# KiCad board Li-ion charger_panel.kicad_pcb
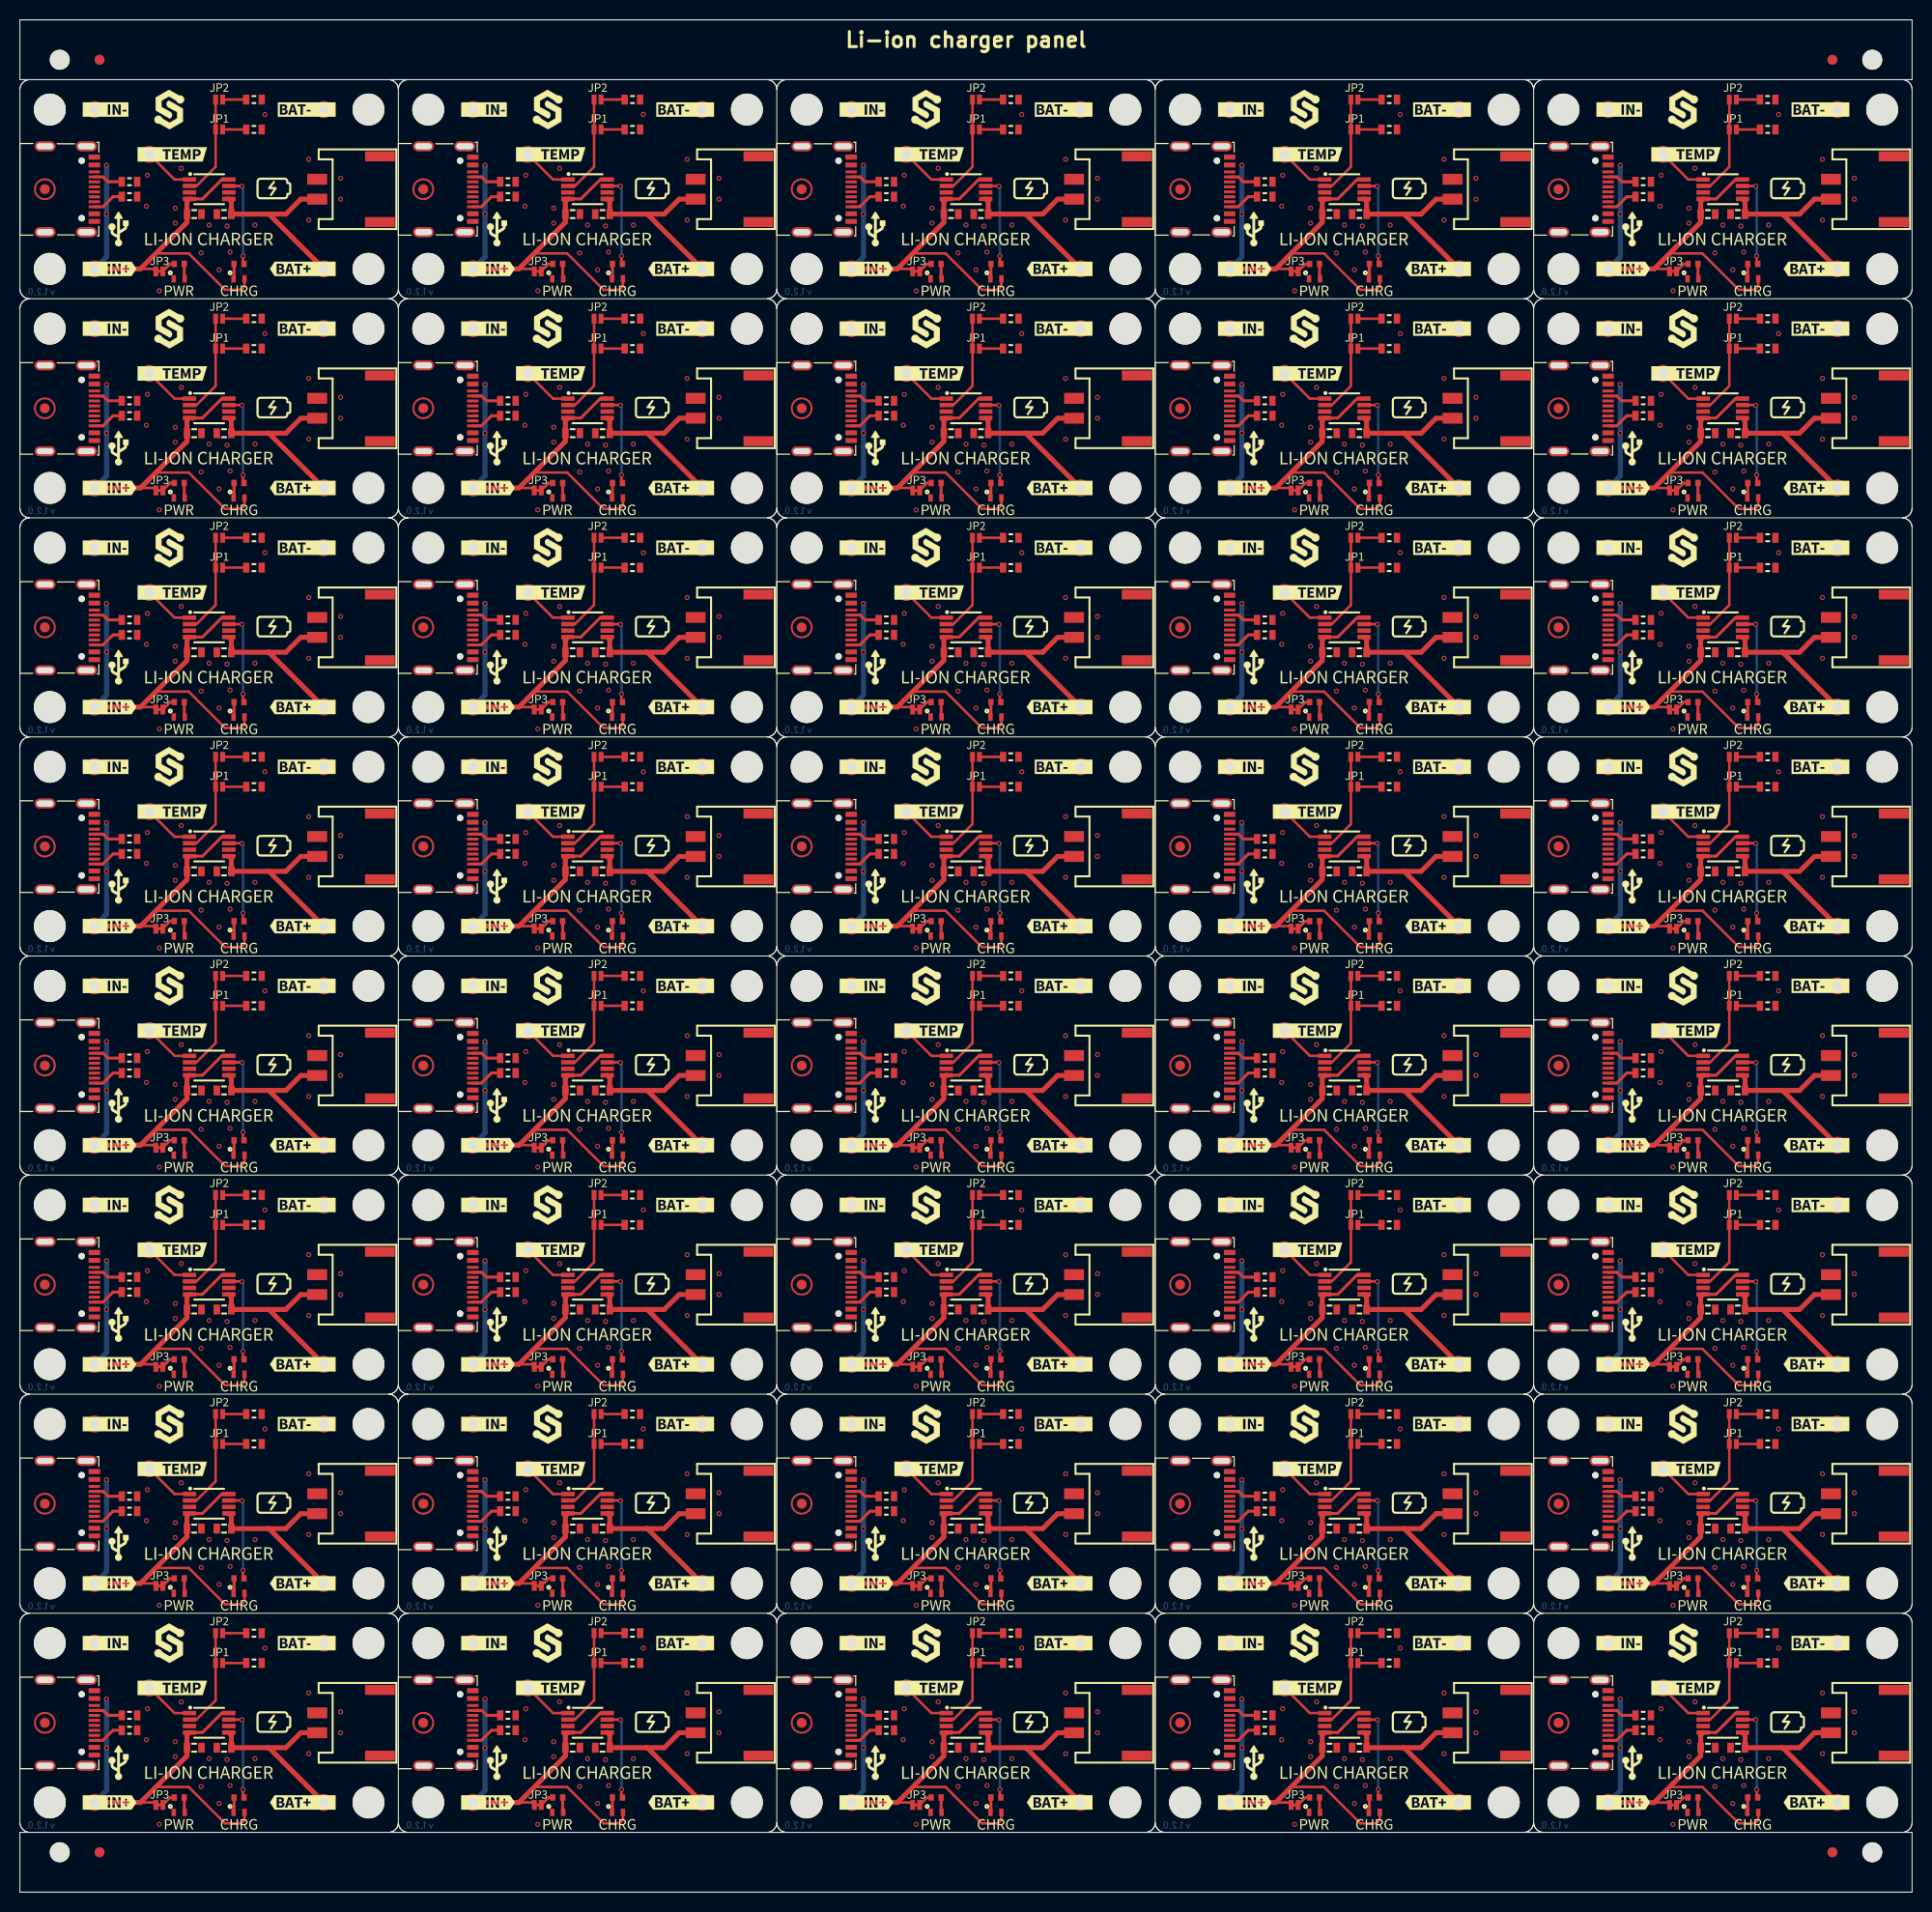
[diagram p0: board, top side]
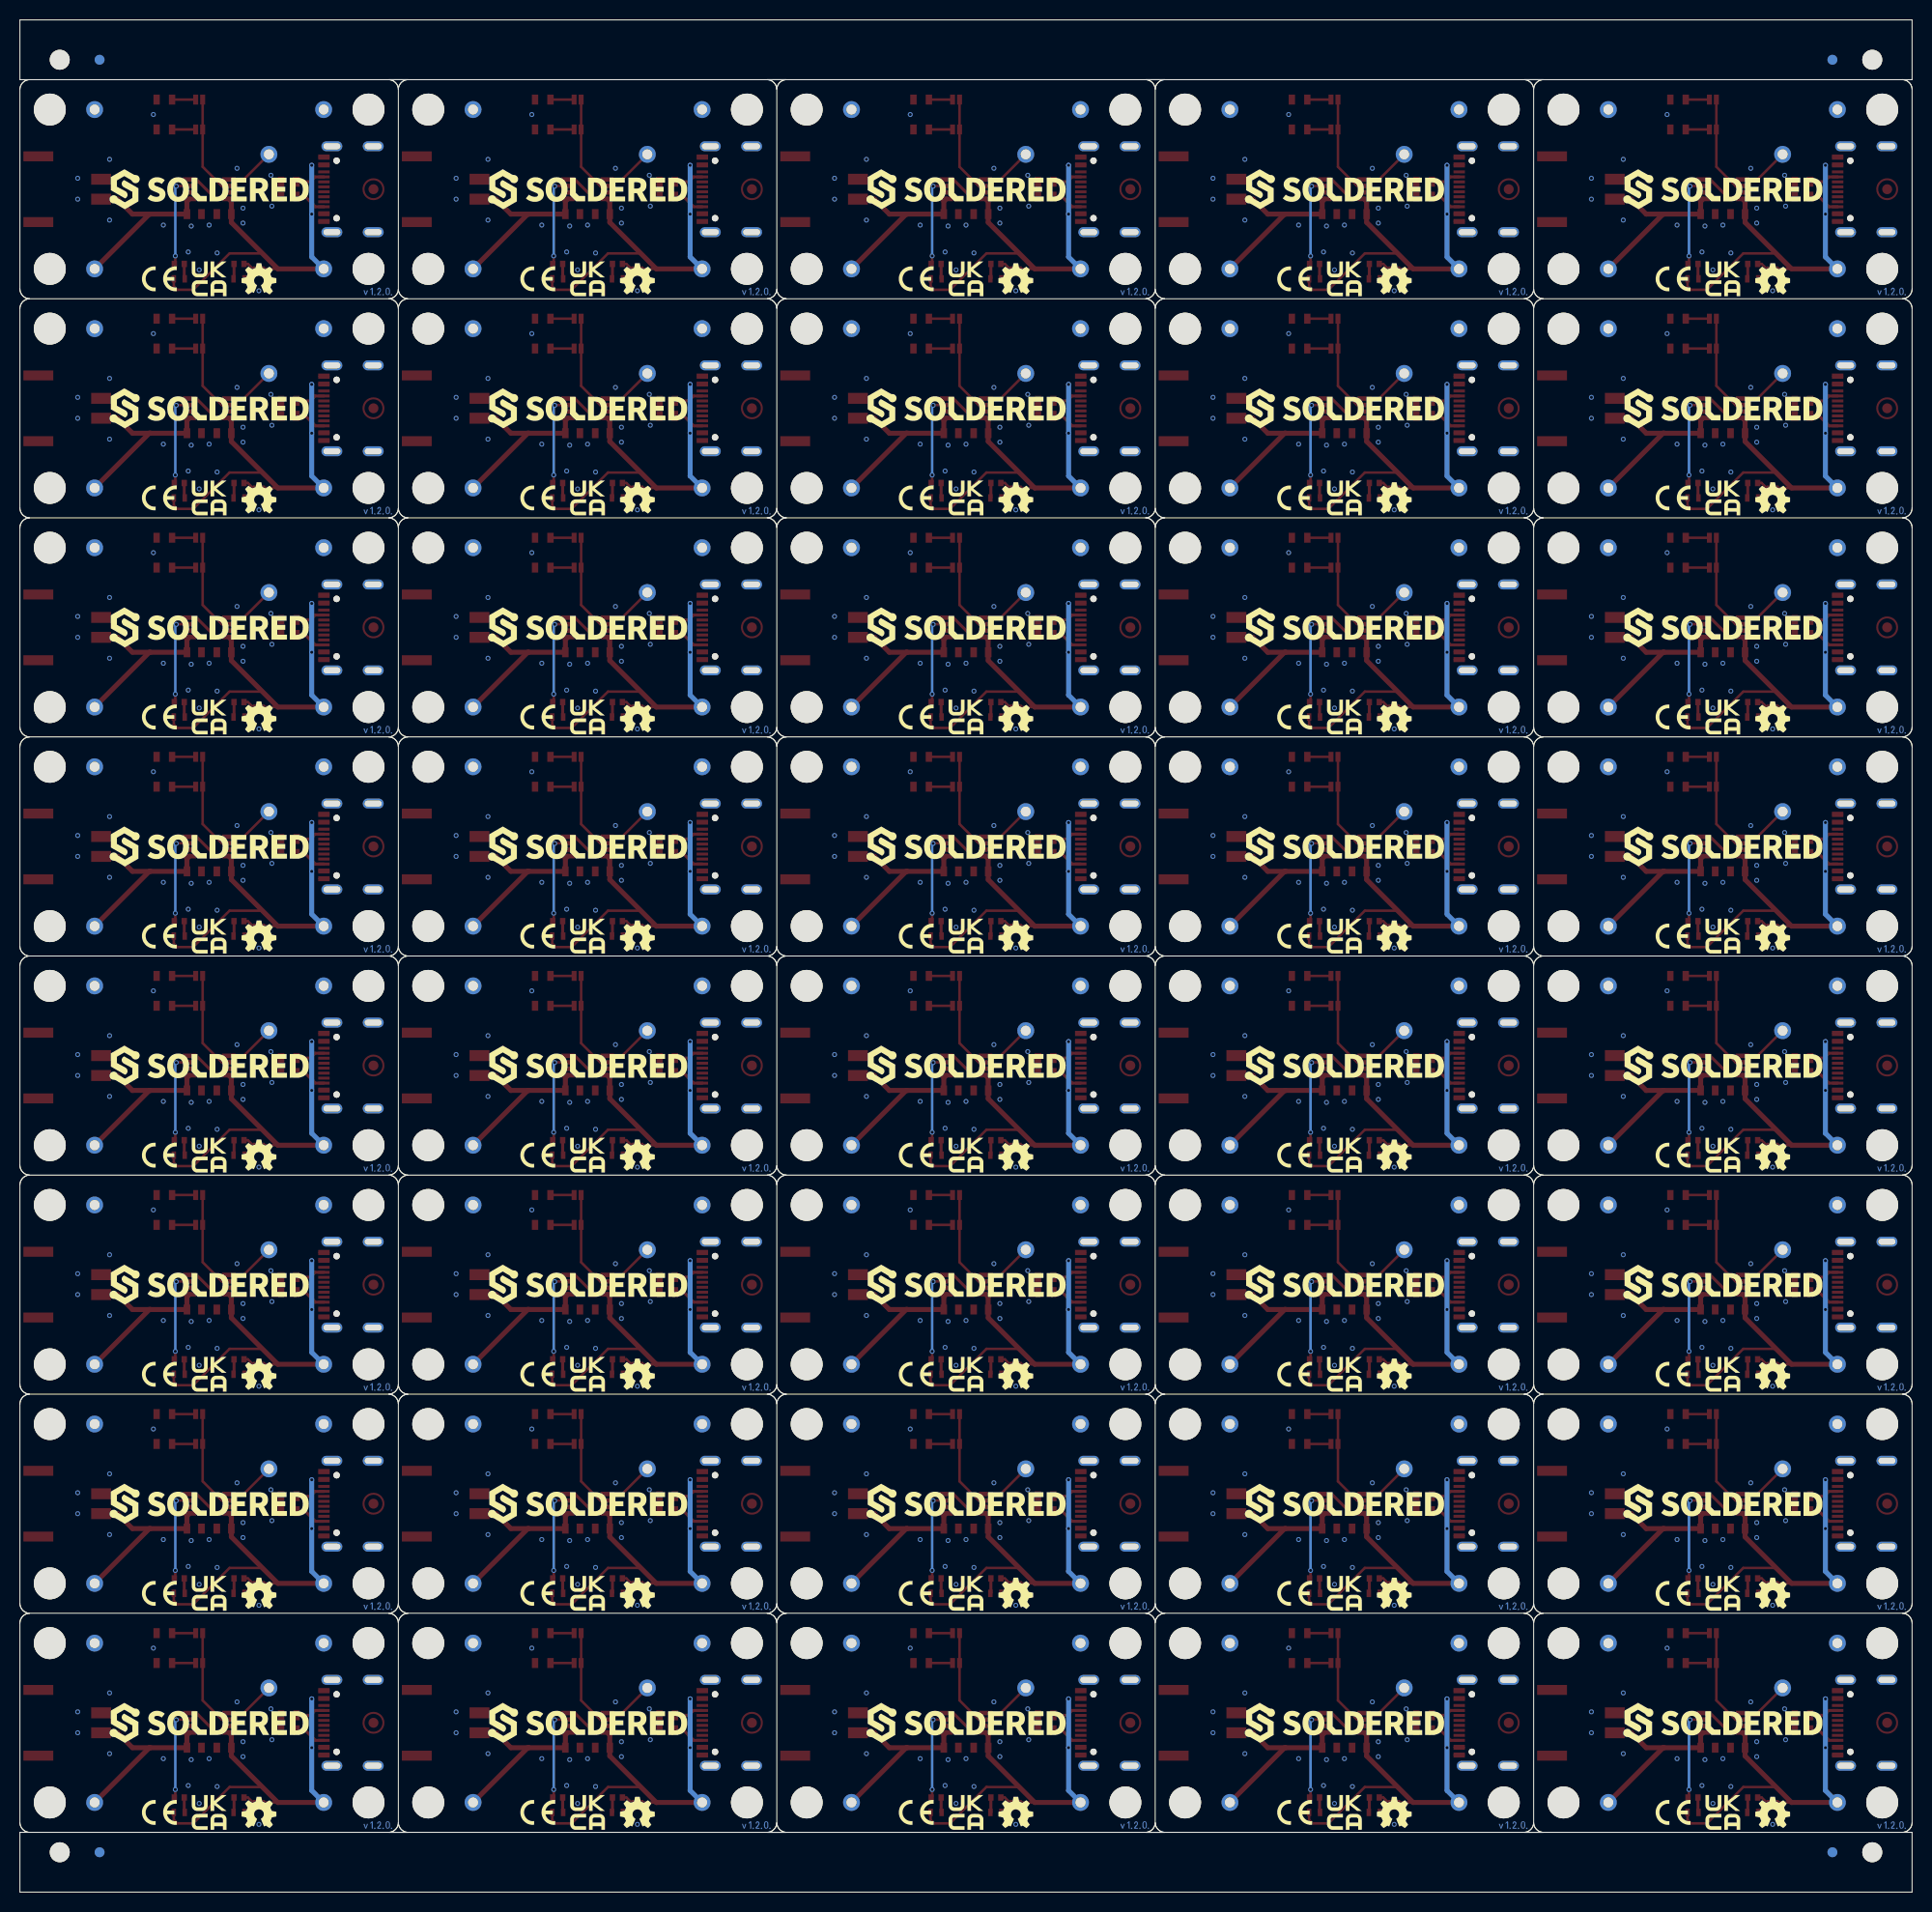
[diagram p1: board, bottom side, seen from below]

Outline 190 x 188 mm; copper layers: Top, Bottom. Coordinates in mm from the lower left corner of the outline.
Stack: Top 0.035mm / dielectric 1.51mm FR4 er 4.5 / Bottom 0.035mm

## Placement (name value [footprint] x y rotation side)
C1  2.2uF  [0603C]  169.5 168.5 180 top
C1#2  2.2uF  [0603C]  55.5 14.5 180 top
C1#3  2.2uF  [0603C]  93.5 58.5 180 top
C1#4  2.2uF  [0603C]  93.5 36.5 180 top
C1#5  2.2uF  [0603C]  55.5 146.5 180 top
C1#6  2.2uF  [0603C]  131.5 102.5 180 top
C1#7  2.2uF  [0603C]  55.5 168.5 180 top
C1#8  2.2uF  [0603C]  17.5 36.5 180 top
C1#9  2.2uF  [0603C]  55.5 58.5 180 top
C1#10  2.2uF  [0603C]  17.5 102.5 180 top
C1#11  2.2uF  [0603C]  131.5 124.5 180 top
C1#12  2.2uF  [0603C]  169.5 102.5 180 top
C1#13  2.2uF  [0603C]  17.5 146.5 180 top
C1#14  2.2uF  [0603C]  131.5 146.5 180 top
C1#15  2.2uF  [0603C]  169.5 14.5 180 top
C1#16  2.2uF  [0603C]  17.5 168.5 180 top
C1#17  2.2uF  [0603C]  17.5 124.5 180 top
C1#18  2.2uF  [0603C]  169.5 80.5 180 top
C1#19  2.2uF  [0603C]  93.5 102.5 180 top
C1#20  2.2uF  [0603C]  131.5 168.5 180 top
C1#21  2.2uF  [0603C]  55.5 102.5 180 top
C1#22  2.2uF  [0603C]  131.5 14.5 180 top
C1#23  2.2uF  [0603C]  17.5 58.5 180 top
C1#24  2.2uF  [0603C]  131.5 58.5 180 top
C1#25  2.2uF  [0603C]  169.5 58.5 180 top
C1#26  2.2uF  [0603C]  169.5 124.5 180 top
C1#27  2.2uF  [0603C]  169.5 36.5 180 top
C1#28  2.2uF  [0603C]  55.5 124.5 180 top
C1#29  2.2uF  [0603C]  93.5 146.5 180 top
C1#30  2.2uF  [0603C]  55.5 80.5 180 top
C1#31  2.2uF  [0603C]  93.5 14.5 180 top
C1#32  2.2uF  [0603C]  17.5 80.5 180 top
C1#33  2.2uF  [0603C]  93.5 80.5 180 top
C1#34  2.2uF  [0603C]  169.5 146.5 180 top
C1#35  2.2uF  [0603C]  17.5 14.5 180 top
C1#36  2.2uF  [0603C]  131.5 36.5 180 top
C1#37  2.2uF  [0603C]  131.5 80.5 180 top
C1#38  2.2uF  [0603C]  93.5 168.5 180 top
C1#39  2.2uF  [0603C]  93.5 124.5 180 top
C1#40  2.2uF  [0603C]  55.5 36.5 180 top
C2  2.2uF  [0603C]  134.5 36.5 0 top
C2#2  2.2uF  [0603C]  134.5 58.5 0 top
C2#3  2.2uF  [0603C]  58.5 14.5 0 top
C2#4  2.2uF  [0603C]  172.5 36.5 0 top
C2#5  2.2uF  [0603C]  172.5 146.5 0 top
C2#6  2.2uF  [0603C]  172.5 58.5 0 top
C2#7  2.2uF  [0603C]  20.5 36.5 0 top
C2#8  2.2uF  [0603C]  134.5 80.5 0 top
C2#9  2.2uF  [0603C]  20.5 80.5 0 top
C2#10  2.2uF  [0603C]  58.5 102.5 0 top
C2#11  2.2uF  [0603C]  20.5 14.5 0 top
C2#12  2.2uF  [0603C]  134.5 102.5 0 top
C2#13  2.2uF  [0603C]  96.5 102.5 0 top
C2#14  2.2uF  [0603C]  134.5 14.5 0 top
C2#15  2.2uF  [0603C]  134.5 124.5 0 top
C2#16  2.2uF  [0603C]  96.5 80.5 0 top
C2#17  2.2uF  [0603C]  96.5 58.5 0 top
C2#18  2.2uF  [0603C]  20.5 58.5 0 top
C2#19  2.2uF  [0603C]  172.5 124.5 0 top
C2#20  2.2uF  [0603C]  172.5 14.5 0 top
C2#21  2.2uF  [0603C]  58.5 58.5 0 top
C2#22  2.2uF  [0603C]  20.5 124.5 0 top
C2#23  2.2uF  [0603C]  96.5 124.5 0 top
C2#24  2.2uF  [0603C]  20.5 146.5 0 top
C2#25  2.2uF  [0603C]  20.5 168.5 0 top
C2#26  2.2uF  [0603C]  96.5 168.5 0 top
C2#27  2.2uF  [0603C]  172.5 168.5 0 top
C2#28  2.2uF  [0603C]  58.5 146.5 0 top
C2#29  2.2uF  [0603C]  58.5 168.5 0 top
C2#30  2.2uF  [0603C]  172.5 102.5 0 top
C2#31  2.2uF  [0603C]  20.5 102.5 0 top
C2#32  2.2uF  [0603C]  134.5 168.5 0 top
C2#33  2.2uF  [0603C]  96.5 36.5 0 top
C2#34  2.2uF  [0603C]  58.5 80.5 0 top
C2#35  2.2uF  [0603C]  96.5 14.5 0 top
C2#36  2.2uF  [0603C]  58.5 36.5 0 top
C2#37  2.2uF  [0603C]  58.5 124.5 0 top
C2#38  2.2uF  [0603C]  96.5 146.5 0 top
C2#39  2.2uF  [0603C]  134.5 146.5 0 top
C2#40  2.2uF  [0603C]  172.5 80.5 0 top
D1  red  [0402LED]  60 74 180 top
D1#2  red  [0402LED]  98 52 180 top
D1#3  red  [0402LED]  136 162 180 top
D1#4  red  [0402LED]  60 96 180 top
D1#5  red  [0402LED]  22 52 180 top
D1#6  red  [0402LED]  174 96 180 top
D1#7  red  [0402LED]  98 30 180 top
D1#8  red  [0402LED]  174 52 180 top
D1#9  red  [0402LED]  60 8 180 top
D1#10  red  [0402LED]  174 74 180 top
D1#11  red  [0402LED]  22 162 180 top
D1#12  red  [0402LED]  174 140 180 top
D1#13  red  [0402LED]  22 30 180 top
D1#14  red  [0402LED]  136 118 180 top
D1#15  red  [0402LED]  98 118 180 top
D1#16  red  [0402LED]  98 162 180 top
D1#17  red  [0402LED]  22 74 180 top
D1#18  red  [0402LED]  98 140 180 top
D1#19  red  [0402LED]  136 74 180 top
D1#20  red  [0402LED]  136 52 180 top
D1#21  red  [0402LED]  22 96 180 top
D1#22  red  [0402LED]  60 118 180 top
D1#23  red  [0402LED]  174 118 180 top
D1#24  red  [0402LED]  174 8 180 top
D1#25  red  [0402LED]  60 162 180 top
D1#26  red  [0402LED]  60 30 180 top
D1#27  red  [0402LED]  98 74 180 top
D1#28  red  [0402LED]  60 140 180 top
D1#29  red  [0402LED]  22 118 180 top
D1#30  red  [0402LED]  60 52 180 top
D1#31  red  [0402LED]  136 30 180 top
D1#32  red  [0402LED]  136 8 180 top
D1#33  red  [0402LED]  136 140 180 top
D1#34  red  [0402LED]  174 30 180 top
D1#35  red  [0402LED]  98 8 180 top
D1#36  red  [0402LED]  98 96 180 top
D1#37  red  [0402LED]  174 162 180 top
D1#38  red  [0402LED]  136 96 180 top
D1#39  red  [0402LED]  22 140 180 top
D1#40  red  [0402LED]  22 8 180 top
D2  purple  [0402LED]  92 96 180 top
D2#2  purple  [0402LED]  168 118 180 top
D2#3  purple  [0402LED]  130 8 180 top
D2#4  purple  [0402LED]  92 74 180 top
D2#5  purple  [0402LED]  92 140 180 top
D2#6  purple  [0402LED]  54 118 180 top
D2#7  purple  [0402LED]  54 30 180 top
D2#8  purple  [0402LED]  130 118 180 top
D2#9  purple  [0402LED]  92 118 180 top
D2#10  purple  [0402LED]  16 52 180 top
D2#11  purple  [0402LED]  54 140 180 top
D2#12  purple  [0402LED]  168 8 180 top
D2#13  purple  [0402LED]  16 162 180 top
D2#14  purple  [0402LED]  168 52 180 top
D2#15  purple  [0402LED]  54 96 180 top
D2#16  purple  [0402LED]  92 8 180 top
D2#17  purple  [0402LED]  130 96 180 top
D2#18  purple  [0402LED]  54 52 180 top
D2#19  purple  [0402LED]  168 30 180 top
D2#20  purple  [0402LED]  92 162 180 top
D2#21  purple  [0402LED]  16 74 180 top
D2#22  purple  [0402LED]  130 140 180 top
D2#23  purple  [0402LED]  16 96 180 top
D2#24  purple  [0402LED]  92 52 180 top
D2#25  purple  [0402LED]  168 140 180 top
D2#26  purple  [0402LED]  16 118 180 top
D2#27  purple  [0402LED]  54 74 180 top
D2#28  purple  [0402LED]  130 30 180 top
D2#29  purple  [0402LED]  130 52 180 top
D2#30  purple  [0402LED]  168 162 180 top
D2#31  purple  [0402LED]  16 140 180 top
D2#32  purple  [0402LED]  16 30 180 top
D2#33  purple  [0402LED]  130 74 180 top
D2#34  purple  [0402LED]  54 162 180 top
D2#35  purple  [0402LED]  92 30 180 top
D2#36  purple  [0402LED]  168 96 180 top
D2#37  purple  [0402LED]  130 162 180 top
D2#38  purple  [0402LED]  16 8 180 top
D2#39  purple  [0402LED]  54 8 180 top
D2#40  purple  [0402LED]  168 74 180 top
FD1  FIDUCIAL  [FIDUCIAL_23]  2.5 61 270 top
FD1#2  FIDUCIAL  [FIDUCIAL_23]  78.5 127 270 top
FD1#3  FIDUCIAL  [FIDUCIAL_23]  2.5 149 270 top
FD1#4  FIDUCIAL  [FIDUCIAL_23]  40.5 127 270 top
FD1#5  FIDUCIAL  [FIDUCIAL_23]  116.5 127 270 top
FD1#6  FIDUCIAL  [FIDUCIAL_23]  40.5 39 270 top
FD1#7  FIDUCIAL  [FIDUCIAL_23]  2.5 105 270 top
FD1#8  FIDUCIAL  [FIDUCIAL_23]  154.5 83 270 top
FD1#9  FIDUCIAL  [FIDUCIAL_23]  116.5 171 270 top
FD1#10  FIDUCIAL  [FIDUCIAL_23]  154.5 127 270 top
FD1#11  FIDUCIAL  [FIDUCIAL_23]  2.5 83 270 top
FD1#12  FIDUCIAL  [FIDUCIAL_23]  78.5 39 270 top
FD1#13  FIDUCIAL  [FIDUCIAL_23]  78.5 83 270 top
FD1#14  FIDUCIAL  [FIDUCIAL_23]  40.5 171 270 top
FD1#15  FIDUCIAL  [FIDUCIAL_23]  116.5 61 270 top
FD1#16  FIDUCIAL  [FIDUCIAL_23]  78.5 171 270 top
FD1#17  FIDUCIAL  [FIDUCIAL_23]  154.5 39 270 top
FD1#18  FIDUCIAL  [FIDUCIAL_23]  154.5 171 270 top
FD1#19  FIDUCIAL  [FIDUCIAL_23]  116.5 39 270 top
FD1#20  FIDUCIAL  [FIDUCIAL_23]  116.5 149 270 top
FD1#21  FIDUCIAL  [FIDUCIAL_23]  78.5 61 270 top
FD1#22  FIDUCIAL  [FIDUCIAL_23]  2.5 39 270 top
FD1#23  FIDUCIAL  [FIDUCIAL_23]  154.5 61 270 top
FD1#24  FIDUCIAL  [FIDUCIAL_23]  40.5 149 270 top
FD1#25  FIDUCIAL  [FIDUCIAL_23]  40.5 105 270 top
FD1#26  FIDUCIAL  [FIDUCIAL_23]  40.5 17 270 top
FD1#27  FIDUCIAL  [FIDUCIAL_23]  116.5 17 270 top
FD1#28  FIDUCIAL  [FIDUCIAL_23]  2.5 127 270 top
FD1#29  FIDUCIAL  [FIDUCIAL_23]  154.5 105 270 top
FD1#30  FIDUCIAL  [FIDUCIAL_23]  78.5 149 270 top
FD1#31  FIDUCIAL  [FIDUCIAL_23]  116.5 105 270 top
FD1#32  FIDUCIAL  [FIDUCIAL_23]  40.5 83 270 top
FD1#33  FIDUCIAL  [FIDUCIAL_23]  78.5 105 270 top
FD1#34  FIDUCIAL  [FIDUCIAL_23]  154.5 149 270 top
FD1#35  FIDUCIAL  [FIDUCIAL_23]  154.5 17 270 top
FD1#36  FIDUCIAL  [FIDUCIAL_23]  2.5 17 270 top
FD1#37  FIDUCIAL  [FIDUCIAL_23]  78.5 17 270 top
FD1#38  FIDUCIAL  [FIDUCIAL_23]  2.5 171 270 top
FD1#39  FIDUCIAL  [FIDUCIAL_23]  116.5 83 270 top
FD1#40  FIDUCIAL  [FIDUCIAL_23]  40.5 61 270 top
G***  LOGO  [Symbol-Front-USB]  9.9 35 0 top
G***#2  LOGO  [Symbol-Front-USB]  123.9 167 0 top
G***#3  LOGO  [Logo-Front-Soldered-4mm]  91 157 0 top
G***#4  LOGO  [Logo-Front-Soldered-4mm]  15 47 0 top
G***#5  LOGO  [Symbol-Front-USB]  161.9 123 0 top
G***#6  LOGO  [Symbol-Front-USB]  161.9 101 0 top
G***#7  LOGO  [Logo-Back-OSH-3.5mm]  166 30 0 top
G***#8  LOGO  [Symbol-Front-Battery]  177.5 149 0 top
G***#9  LOGO  [Symbol-Front-Battery]  101.5 149 0 top
G***#10  LOGO  [Symbol-Front-USB]  123.9 13 0 top
G***#11  LOGO  [Symbol-Front-Battery]  63.5 171 0 top
G***#12  LOGO  [Logo-Front-Soldered-4mm]  167 91 0 top
G***#13  LOGO  [Logo-Front-Soldered-4mm]  53 135 0 top
G***#14  LOGO  [Logo-Front-Soldered-4mm]  91 69 0 top
G***#15  LOGO  [Symbol-Front-Battery]  63.5 61 0 top
G***#16  LOGO  [Symbol-Front-Battery]  25.5 17 0 top
G***#17  LOGO  [Logo-Front-Soldered-4mm]  167 157 0 top
G***#18  LOGO  [Symbol-Front-USB]  85.9 101 0 top
G***#19  LOGO  [Symbol-Front-Battery]  25.5 149 0 top
G***#20  LOGO  [Logo-Front-Soldered-4mm]  167 47 0 top
G***#21  LOGO  [Symbol-Front-USB]  9.9 123 0 top
G***#22  LOGO  [Symbol-Front-Battery]  101.5 61 0 top
G***#23  LOGO  [Symbol-Front-USB]  123.9 57 0 top
G***#24  LOGO  [Logo-Back-OSH-3.5mm]  52 140 0 top
G***#25  LOGO  [Logo-Front-Soldered-4mm]  15 179 0 top
G***#26  LOGO  [Symbol-Front-USB]  85.9 13 0 top
G***#27  LOGO  [Logo-Back-OSH-3.5mm]  52 30 0 top
G***#28  LOGO  [Logo-Back-OSH-3.5mm]  14 74 0 top
G***#29  LOGO  [Symbol-Front-USB]  85.9 123 0 top
G***#30  LOGO  [Logo-Back-OSH-3.5mm]  128 140 0 top
G***#31  LOGO  [Symbol-Front-USB]  161.9 167 0 top
G***#32  LOGO  [Symbol-Front-Battery]  63.5 39 0 top
G***#33  LOGO  [Logo-Front-Soldered-4mm]  15 25 0 top
G***#34  LOGO  [Logo-Back-OSH-3.5mm]  14 118 0 top
G***#35  LOGO  [Logo-Back-OSH-3.5mm]  128 162 0 top
G***#36  LOGO  [Symbol-Front-Battery]  25.5 39 0 top
G***#37  LOGO  [Logo-Back-OSH-3.5mm]  14 52 0 top
G***#38  LOGO  [Logo-Front-Soldered-4mm]  53 25 0 top
G***#39  LOGO  [Symbol-Front-USB]  161.9 57 0 top
G***#40  LOGO  [Symbol-Front-Battery]  25.5 105 0 top
G***#41  LOGO  [Logo-Back-OSH-3.5mm]  166 162 0 top
G***#42  LOGO  [Symbol-Front-Battery]  139.5 83 0 top
G***#43  LOGO  [Symbol-Front-Battery]  139.5 127 0 top
G***#44  LOGO  [Symbol-Front-USB]  161.9 13 0 top
G***#45  LOGO  [Symbol-Front-USB]  123.9 145 0 top
G***#46  LOGO  [Logo-Back-OSH-3.5mm]  166 8 0 top
G***#47  LOGO  [Symbol-Front-Battery]  177.5 171 0 top
G***#48  LOGO  [Logo-Back-OSH-3.5mm]  52 118 0 top
G***#49  LOGO  [Logo-Back-OSH-3.5mm]  14 162 0 top
G***#50  LOGO  [Logo-Front-Soldered-4mm]  53 113 0 top
G***#51  LOGO  [Symbol-Front-USB]  47.9 101 0 top
G***#52  LOGO  [Symbol-Front-Battery]  25.5 171 0 top
G***#53  LOGO  [Symbol-Front-Battery]  177.5 61 0 top
G***#54  LOGO  [Logo-Back-OSH-3.5mm]  90 8 0 top
G***#55  LOGO  [Symbol-Front-Battery]  63.5 17 0 top
G***#56  LOGO  [Symbol-Front-Battery]  101.5 105 0 top
G***#57  LOGO  [Symbol-Front-Battery]  101.5 127 0 top
G***#58  LOGO  [Symbol-Front-USB]  9.9 101 0 top
G***#59  LOGO  [Logo-Front-Soldered-4mm]  167 135 0 top
G***#60  LOGO  [Logo-Back-OSH-3.5mm]  90 52 0 top
G***#61  LOGO  [Logo-Front-Soldered-4mm]  129 69 0 top
G***#62  LOGO  [Symbol-Front-USB]  9.9 145 0 top
G***#63  LOGO  [Logo-Front-Soldered-4mm]  53 179 0 top
G***#64  LOGO  [Logo-Back-OSH-3.5mm]  90 118 0 top
G***#65  LOGO  [Logo-Back-OSH-3.5mm]  90 162 0 top
G***#66  LOGO  [Logo-Front-Soldered-4mm]  15 91 0 top
G***#67  LOGO  [Symbol-Front-USB]  161.9 35 0 top
G***#68  LOGO  [Logo-Front-Soldered-4mm]  15 157 0 top
G***#69  LOGO  [Symbol-Front-USB]  9.9 167 0 top
G***#70  LOGO  [Symbol-Front-Battery]  25.5 83 0 top
G***#71  LOGO  [Symbol-Front-USB]  85.9 57 0 top
G***#72  LOGO  [Logo-Back-OSH-3.5mm]  128 8 0 top
G***#73  LOGO  [Logo-Front-Soldered-4mm]  167 113 0 top
G***#74  LOGO  [Symbol-Front-Battery]  25.5 61 0 top
G***#75  LOGO  [Symbol-Front-USB]  123.9 79 0 top
G***#76  LOGO  [Logo-Front-Soldered-4mm]  129 135 0 top
G***#77  LOGO  [Logo-Front-Soldered-4mm]  129 179 0 top
G***#78  LOGO  [Logo-Front-Soldered-4mm]  53 69 0 top
G***#79  LOGO  [Logo-Front-Soldered-4mm]  167 69 0 top
G***#80  LOGO  [Logo-Front-Soldered-4mm]  53 47 0 top
G***#81  LOGO  [Symbol-Front-USB]  85.9 145 0 top
G***#82  LOGO  [Logo-Back-OSH-3.5mm]  52 52 0 top
G***#83  LOGO  [Symbol-Front-USB]  161.9 79 0 top
G***#84  LOGO  [Logo-Front-Soldered-4mm]  129 113 0 top
G***#85  LOGO  [Logo-Front-Soldered-4mm]  91 91 0 top
G***#86  LOGO  [Symbol-Front-Battery]  139.5 39 0 top
G***#87  LOGO  [Logo-Back-OSH-3.5mm]  52 74 0 top
G***#88  LOGO  [Logo-Back-OSH-3.5mm]  90 30 0 top
G***#89  LOGO  [Symbol-Front-Battery]  139.5 17 0 top
G***#90  LOGO  [Logo-Back-OSH-3.5mm]  52 96 0 top
G***#91  LOGO  [Symbol-Front-USB]  123.9 123 0 top
G***#92  LOGO  [Symbol-Front-USB]  161.9 145 0 top
G***#93  LOGO  [Logo-Back-OSH-3.5mm]  166 118 0 top
G***#94  LOGO  [Symbol-Front-USB]  47.9 79 0 top
G***#95  LOGO  [Symbol-Front-USB]  47.9 123 0 top
G***#96  LOGO  [Symbol-Front-USB]  123.9 101 0 top
G***#97  LOGO  [Symbol-Front-Battery]  177.5 105 0 top
G***#98  LOGO  [Symbol-Front-Battery]  177.5 39 0 top
G***#99  LOGO  [Symbol-Front-USB]  47.9 35 0 top
G***#100  LOGO  [Symbol-Front-Battery]  101.5 17 0 top
G***#101  LOGO  [Logo-Back-OSH-3.5mm]  128 96 0 top
G***#102  LOGO  [Logo-Front-Soldered-4mm]  53 91 0 top
G***#103  LOGO  [Symbol-Front-USB]  47.9 167 0 top
G***#104  LOGO  [Logo-Front-Soldered-4mm]  129 25 0 top
G***#105  LOGO  [Logo-Back-OSH-3.5mm]  128 118 0 top
G***#106  LOGO  [Symbol-Front-Battery]  101.5 83 0 top
G***#107  LOGO  [Logo-Front-Soldered-4mm]  15 69 0 top
G***#108  LOGO  [Symbol-Front-USB]  85.9 79 0 top
G***#109  LOGO  [Logo-Front-Soldered-4mm]  15 113 0 top
G***#110  LOGO  [Symbol-Front-USB]  85.9 167 0 top
G***#111  LOGO  [Logo-Back-OSH-3.5mm]  166 74 0 top
G***#112  LOGO  [Symbol-Front-USB]  9.9 79 0 top
G***#113  LOGO  [Symbol-Front-Battery]  139.5 149 0 top
G***#114  LOGO  [Logo-Back-OSH-3.5mm]  90 96 0 top
G***#115  LOGO  [Symbol-Front-Battery]  139.5 61 0 top
G***#116  LOGO  [Logo-Front-Soldered-4mm]  53 157 0 top
G***#117  LOGO  [Logo-Front-Soldered-4mm]  129 47 0 top
G***#118  LOGO  [Symbol-Front-Battery]  177.5 83 0 top
G***#119  LOGO  [Symbol-Front-Battery]  139.5 171 0 top
G***#120  LOGO  [Logo-Back-OSH-3.5mm]  52 8 0 top
G***#121  LOGO  [Logo-Front-Soldered-4mm]  129 157 0 top
G***#122  LOGO  [Symbol-Front-Battery]  63.5 105 0 top
G***#123  LOGO  [Symbol-Front-Battery]  25.5 127 0 top
G***#124  LOGO  [Logo-Front-Soldered-4mm]  91 25 0 top
G***#125  LOGO  [Symbol-Front-Battery]  139.5 105 0 top
G***#126  LOGO  [Logo-Back-OSH-3.5mm]  128 52 0 top
G***#127  LOGO  [Logo-Back-OSH-3.5mm]  14 96 0 top
G***#128  LOGO  [Symbol-Front-Battery]  101.5 39 0 top
G***#129  LOGO  [Logo-Front-Soldered-4mm]  15 135 0 top
G***#130  LOGO  [Logo-Back-OSH-3.5mm]  90 140 0 top
G***#131  LOGO  [Logo-Front-Soldered-4mm]  129 91 0 top
G***#132  LOGO  [Symbol-Front-Battery]  63.5 83 0 top
G***#133  LOGO  [Logo-Back-OSH-3.5mm]  14 8 0 top
G***#134  LOGO  [Symbol-Front-Battery]  177.5 17 0 top
G***#135  LOGO  [Logo-Back-OSH-3.5mm]  166 140 0 top
G***#136  LOGO  [Logo-Front-Soldered-4mm]  91 47 0 top
G***#137  LOGO  [Symbol-Front-USB]  123.9 35 0 top
G***#138  LOGO  [Logo-Back-OSH-3.5mm]  128 30 0 top
G***#139  LOGO  [Symbol-Front-Battery]  177.5 127 0 top
G***#140  LOGO  [Logo-Back-OSH-3.5mm]  128 74 0 top
G***#141  LOGO  [Logo-Front-Soldered-4mm]  91 113 0 top
G***#142  LOGO  [Symbol-Front-USB]  85.9 35 0 top
G***#143  LOGO  [Logo-Back-OSH-3.5mm]  166 96 0 top
G***#144  LOGO  [Logo-Front-Soldered-4mm]  91 135 0 top
G***#145  LOGO  [Symbol-Front-USB]  47.9 145 0 top
G***#146  LOGO  [Symbol-Front-Battery]  63.5 149 0 top
G***#147  LOGO  [Logo-Back-OSH-3.5mm]  90 74 0 top
G***#148  LOGO  [Logo-Front-Soldered-4mm]  167 25 0 top
G***#149  LOGO  [Logo-Back-OSH-3.5mm]  52 162 0 top
G***#150  LOGO  [Symbol-Front-USB]  47.9 57 0 top
G***#151  LOGO  [Symbol-Front-USB]  9.9 13 0 top
G***#152  LOGO  [Logo-Front-Soldered-4mm]  91 179 0 top
G***#153  LOGO  [Symbol-Front-USB]  47.9 13 0 top
G***#154  LOGO  [Logo-Front-Soldered-4mm]  167 179 0 top
G***#155  LOGO  [Logo-Back-OSH-3.5mm]  14 140 0 top
G***#156  LOGO  [Logo-Back-OSH-3.5mm]  14 30 0 top
G***#157  LOGO  [Symbol-Front-Battery]  101.5 171 0 top
G***#158  LOGO  [Logo-Back-OSH-3.5mm]  166 52 0 top
G***#159  LOGO  [Symbol-Front-USB]  9.9 57 0 top
G***#160  LOGO  [Symbol-Front-Battery]  63.5 127 0 top
H1  -  [HOLE_3.2mm]  35 113 270 top
H1#2  -  [HOLE_3.2mm]  73 135 270 top
H1#3  -  [HOLE_3.2mm]  187 113 270 top
H1#4  -  [HOLE_3.2mm]  35 47 270 top
H1#5  -  [HOLE_3.2mm]  187 157 270 top
H1#6  -  [HOLE_3.2mm]  35 157 270 top
H1#7  -  [HOLE_3.2mm]  73 25 270 top
H1#8  -  [HOLE_3.2mm]  111 135 270 top
H1#9  -  [HOLE_3.2mm]  111 69 270 top
H1#10  -  [HOLE_3.2mm]  111 91 270 top
H1#11  -  [HOLE_3.2mm]  35 135 270 top
H1#12  -  [HOLE_3.2mm]  149 135 270 top
H1#13  -  [HOLE_3.2mm]  35 25 270 top
H1#14  -  [HOLE_3.2mm]  187 69 270 top
H1#15  -  [HOLE_3.2mm]  73 157 270 top
H1#16  -  [HOLE_3.2mm]  73 69 270 top
H1#17  -  [HOLE_3.2mm]  111 113 270 top
H1#18  -  [HOLE_3.2mm]  187 47 270 top
H1#19  -  [HOLE_3.2mm]  149 113 270 top
H1#20  -  [HOLE_3.2mm]  149 179 270 top
H1#21  -  [HOLE_3.2mm]  187 135 270 top
H1#22  -  [HOLE_3.2mm]  149 157 270 top
H1#23  -  [HOLE_3.2mm]  187 91 270 top
H1#24  -  [HOLE_3.2mm]  35 69 270 top
H1#25  -  [HOLE_3.2mm]  73 47 270 top
H1#26  -  [HOLE_3.2mm]  187 25 270 top